# KiCad board frankenso.kicad_pcb (continued)
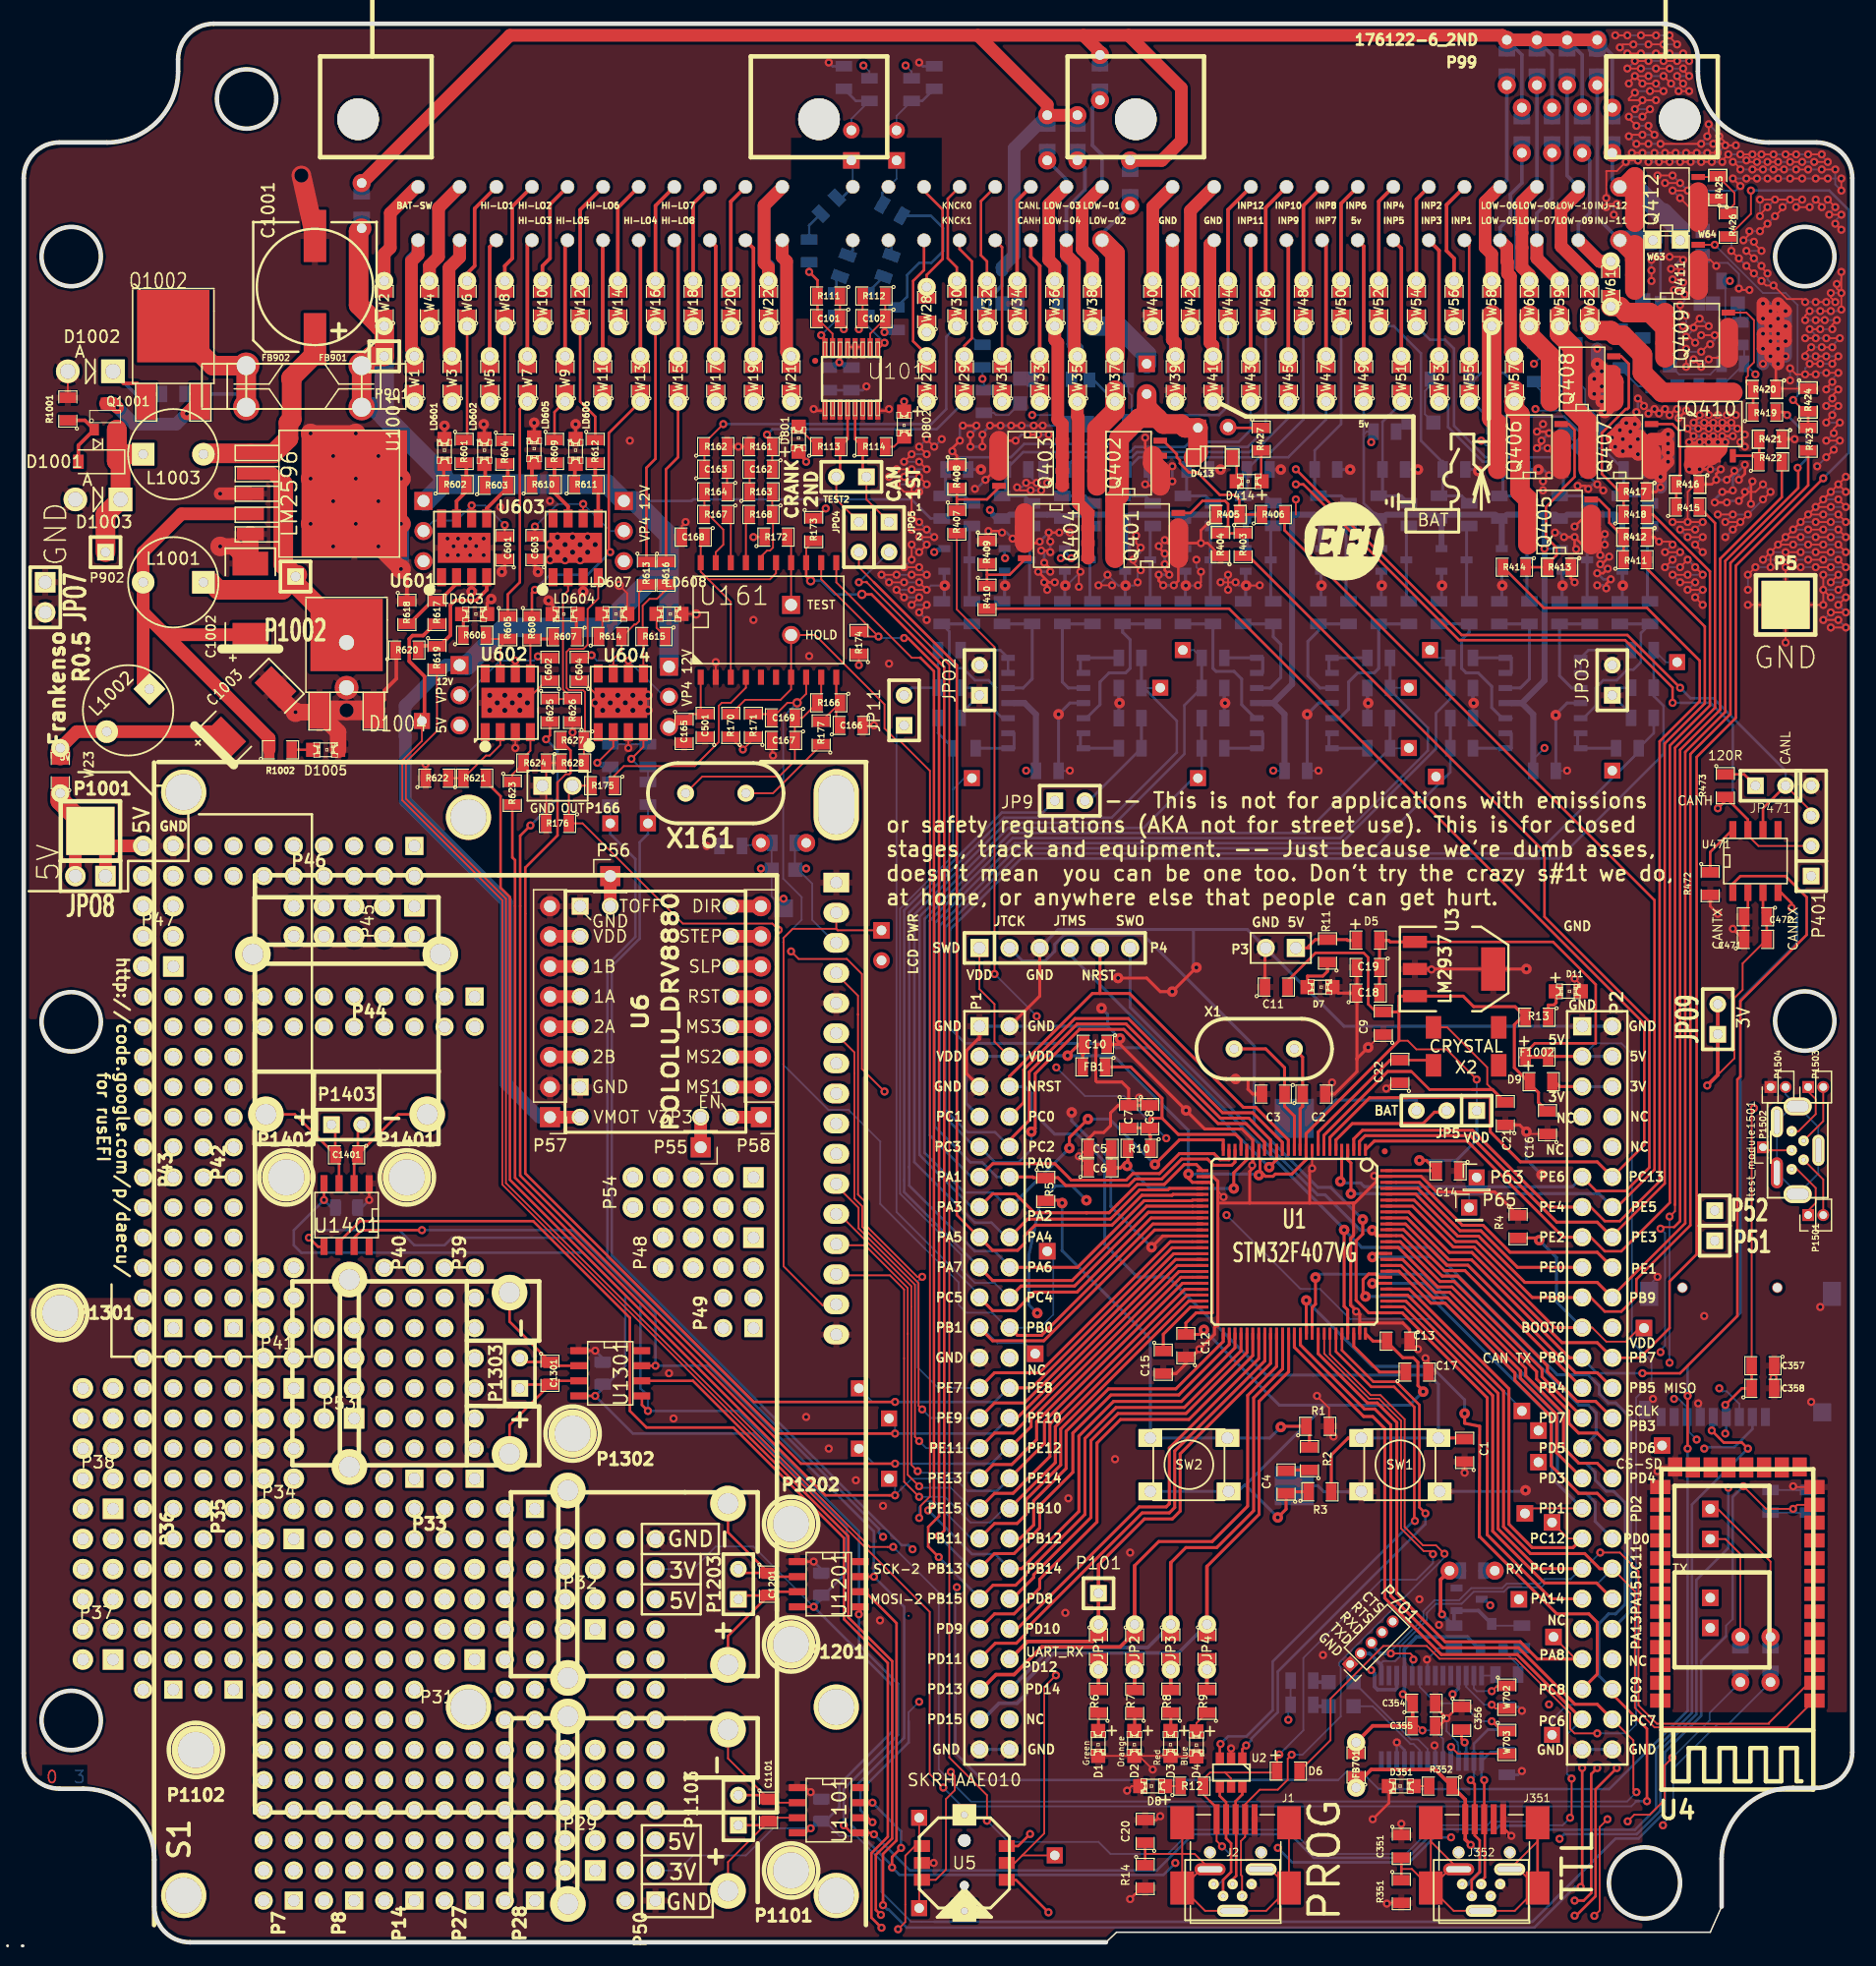
[diagram p0: board, top side]
## Nets (continued)
/HD44780_D5: P1.31 S1.12 U1.44
/HD44780_D6: P1.33 S1.13 U1.46
/HD44780_D7: P1.34 S1.14 U1.47
/HD44780_RS: P1.25 S1.4 U1.38
/HD44780_VCC: JPO1.1 S1.2 S1.A
/HD44780_VLCD: RV101.3 S1.3 W101.1
/hi-lo/DOHL1: P2.46 P69.1 R617.2 U1.66
/hi-lo/DOHL2: P2.48 P67.1 R619.2 U1.64
/hi-lo/DOHL3: P1.32 P68.1 R621.2 U1.45
/hi-lo/DOHL4: P1.30 P70.1 R623.2 U1.43
/hi-lo/DOHL5: P1.28 P72.1 R625.2 U1.41
/hi-lo/DOHL6: P1.26 P71.1 R627.2 U1.39
/hi-lo/DOHL7: P1.41 P74.1 R629.2 U1.56
/hi-lo/DOHL8: P1.40 P73.1 R631.2 U1.55
/hi-lo/VP: C601.2 P604.2 U601.6
/hi-lo/VP2: C602.2 P605.2 U602.6
/hi-lo/VP3: C603.2 P606.2 U603.6
/hi-lo/VP4: C604.2 P607.2 U604.6
/HL1: R601.1 W6.1
/HL2: R604.1 W8.1
/HL3: R605.1 W7.1
/HL4: R608.1 W13.1
/HL5: R609.1 W9.1
/HL6: R612.1 W12.1
/HL7: R613.1 W16.1
/HL8: R616.1 W15.1
/inj_12ch/INJ-01: D413.2 Q401.2 R401.1 R402.2
/inj_12ch/INJ-01_5V: P2.11 P63.1 R403.2 U1.5
/inj_12ch/INJ-02_5V: P2.14 P65.1 R406.2 U1.4
/inj_12ch/INJ-03_5V: P2.27 P23.1 R407.2 U1.88
/inj_12ch/INJ-04_5V: P2.12 R410.2 U1.7
/inj_12ch/INJ-05_5V: P2.16 R411.2 U1.2
/inj_12ch/INJ-06_5V: P2.13 R414.2 U1.3
/inj_12ch/INJ-07_5V: P2.31 P20.1 R415.2 U1.84
/inj_12ch/INJ-08_5V: P2.15 R418.2 U1.1
/inj_12ch/INJ-09_5V: P2.20 R419.2 U1.96
/inj_12ch/INJ-10_5V: P2.29 P21.1 R422.2 U1.86
/inj_12ch/INJ-11_5V: P2.19 R423.2 U1.95
/inj_12ch/INJ-12_5V: P2.24 R426.2 U1.93
/KNOCK-INPUT-0: C163.1 R162.1 W30.1
/KNOCK-INPUT-1: C162.1 R161.1 W29.1
/LOW-1A-01_2: R402.1 W38.1
/LOW-1A-02: D416.2 Q402.2 W37.1
/LOW-1A-03: D418.2 Q403.2 W36.1
/LOW-1A-04: D420.2 Q404.2 W35.1
/LOW-1A-05: D422.2 Q405.2 W57.1
/LOW-1A-06: D424.2 Q406.2 W58.1
/LOW-1A-07: D426.2 Q407.2 W59.1
/LOW-1A-08: D428.2 Q408.2 W60.1
/LOW-1A-09: D430.2 Q409.2 W61.1
/LOW-1A-10: D432.2 Q410.2 W62.1
/LOW-1A-11: D22.1 D434.2 P99.51 Q411.2 W63.1
/LOW-1A-12: D23.1 D436.2 P99.64 Q412.2 W64.1
/mmc_usb_1/CB2: U351.13 W702.1
/mmc_usb_1/CB4: U351.12 W702.2
/mmc_usb_1/D+: C353.2 J351.3 J352.3 U351.15
/mmc_usb_1/D-: C352.2 J351.2 J352.2 U351.16
/mmc_usb_1/FTVCC: C354.1 C355.2 FB701.2 Q701.2 U351.4 U351.20
/mmc_usb_1/PWREN#: R703.2 U351.14
/mmc_usb_1/RESET: U351.19 W703.2
/mmc_usb_1/RI: U351.6 W703.1
/mmc_usb_1/shield: C351.2 J351.6 J352.6 R351.1
/PWR_buck_12V_switcher/FB: C1002.1 L1001.2 L1002.1 R1002.1 U1001.4
/PWR_buck_12V_switcher/OUT: D1004.2 D1006.1 L1001.1 P1002.1 U1001.2
/PWR_buck_12V_switcher/Vf: FB902.1 Q1002.2 R1003.1
/PWR_buck_12V_switcher/Vs1: D1002.1 Q1002.1 R1003.2
/PWR_buck_12V_switcher/Vs2: Q1001.3 Q1002.3
/SCK: P2.28 P4.6 P352.5 U1.89 U1101.5 U1201.5 U1301.5 U1401.5
/SCK-2: P1.37 R173.2 U1.52 U161.13
/SI: P2.26 P352.3 U1.91
/SI-2: P1.39 R174.2 U1.54 U161.12
/SO: P2.25 P352.7 U1.90 U1101.7 U1201.7 U1301.7 U1401.7
/SO-2: P1.38 U1.53 U161.11
/stm32f407_board/BOOT0: P2.21 P30.1 R4.2 U1.94
/stm32f407_board/D+: J1.3 J2.3 U2.6
/stm32f407_board/D-: J1.2 J2.2 U2.4
/stm32f407_board/NRST: C1.2 P1.6 P4.5 R3.2 SW1.1 U1.14
/stm32f407_board/PA5: JPO4.2 P1.15 U1.30
/stm32f407_board/PA9: D6.1 J1.1 J2.1 R12.2 U1.68 U2.5
/stm32f407_board/PA10: J1.4 J2.4 U1.69
/stm32f407_board/PA11: U1.70 U2.3
/stm32f407_board/PA12: U1.71 U2.1
/stm32f407_board/PA15: P2.40 P11.1 U1.77
/stm32f407_board/PB1: P1.21 P13.1 U1.36
/stm32f407_board/PC6: JPO5.2 P2.47 U1.63
/stm32f407_board/PC8: P2.45 P75.1 U1.65 U5.6
/stm32f407_board/PC12: P2.35 P16.1 U1.80
/stm32f407_board/PD0: P2.36 P17.1 U1.81 W102.2
/stm32f407_board/PD1: P2.33 P18.1 U1.82
/stm32f407_board/PD2: P2.34 P19.1 U1.83 W103.2
/stm32f407_board/PD6: P2.30 P22.1 U1.87
/stm32f407_board/PD10: P1.42 P76.1 U1.57 U5.2
/stm32f407_board/PD11: P1.43 P77.1 U1.58 U5.4
/stm32f407_board/PD13: JP2.1 P1.45 U1.60
/stm32f407_board/PD14: JP3.1 P1.46 U1.61
/stm32f407_board/PD15: JP4.1 P1.47 U1.62
/stm32f407_board/PE0: P2.17 P52.1 U1.97
/stm32f407_board/PE1: P2.18 P51.1 U1.98
/stm32f407_board/shield: C20.1 J1.6 J2.6 R14.1
/thermocouple1//CS: JP1.1 P1.44 P101.1 U1.59 U1101.6
/thermocouple1/TCPL+: C1101.2 P1103.1 P1104.2 U1101.3
/thermocouple1/TCPL-: C1101.1 P1103.2 P1104.1 U1101.2
/thermocouple2//CS: P2.39 P4.2 P10.1 U1.76 U1201.6
/thermocouple2/TCPL+: C1201.2 P1203.1 P1204.2 U1201.3
/thermocouple2/TCPL-: C1201.1 P1203.2 P1204.1 U1201.2
/thermocouple3//CS: P2.43 P6.1 U1.67 U1301.6
/thermocouple3/TCPL+: C1301.2 P1303.1 P1304.2 U1301.3
/thermocouple3/TCPL-: C1301.1 P1303.2 P1304.1 U1301.2
/thermocouple4//CS: P2.42 P4.4 P9.1 U1.72 U1401.6
/thermocouple4/TCPL+: C1401.2 P1403.1 P1404.2 U1401.3
/thermocouple4/TCPL-: C1401.1 P1403.2 P1404.1 U1401.2
Net-(BT1-Pad1): BT1.1 JP5.3
Net-(C2-Pad1): C2.1 U1.12 X1.2
Net-(C3-Pad1): C3.1 U1.13 X1.1
Net-(C4-Pad2): C4.2 R2.1
Net-(C5-Pad2): C5.2 C6.2 R10.2 U1.21
Net-(C7-Pad2): C7.2 C8.2 FB1.1 R10.1 U1.22
Net-(C15-Pad1): C15.1 U1.49
Net-(C17-Pad1): C17.1 U1.73
Net-(C21-Pad2): C21.2 U1.8 X2.4
Net-(C22-Pad2): C22.2 U1.9 X2.1
Net-(C101-Pad1): C101.1 R108.2 R111.1 U101.16
Net-(C101-Pad2): C101.2 R107.2 R111.2 U101.15
Net-(C102-Pad1): C102.1 R110.2 R112.1 U101.10
Net-(C102-Pad2): C102.2 R109.2 R112.2 U101.9
Net-(C162-Pad2): C162.2 R163.1
Net-(C163-Pad2): C163.2 R164.1
Net-(C166-Pad1): C166.1 R166.1 R177.2 U161.10
Net-(C167-Pad1): C167.1 C169.1 R166.2 U161.9 X161.1
Net-(C168-Pad1): C168.1 U161.3 U161.15 U161.20
Net-(C210-Pad2): C210.2 R213.2 U201.12
Net-(C220-Pad2): C220.2 R223.2 U201.10
Net-(C230-Pad2): C230.2 R233.2 U201.5
Net-(C240-Pad2): C240.2 R243.2 U201.3
Net-(C250-Pad2): C250.2 R253.2 U202.12
Net-(C260-Pad2): C260.2 R263.2 U202.10
Net-(C270-Pad2): C270.2 R273.2 U202.5
Net-(C280-Pad2): C280.2 R283.2 U202.3
Net-(C290-Pad2): C290.2 R293.2 U203.12
Net-(C300-Pad2): C300.2 R303.2 U203.10
Net-(C310-Pad2): C310.2 R313.2 U203.5
Net-(C320-Pad2): C320.2 R323.2 U203.3
Net-(C356-Pad2): C356.2 U351.17
Net-(C701-Pad1): C701.1 Q701.1 R703.1
Net-(C701-Pad2): C701.2 C702.1 D703.1 Q701.3 W701.2
Net-(D1-Pad1): D1.1 R6.1
Net-(D2-Pad1): D2.1 R7.1
Net-(D3-Pad1): D3.1 R8.1
Net-(D4-Pad1): D4.1 R9.1
Net-(D5-Pad1): D5.1 P3.1 R11.2
Net-(D7-Pad1): D7.1 R11.1
Net-(D8-Pad1): D8.1 R12.1
Net-(D11-Pad1): D11.1 R13.1
Net-(D12-Pad1): D12.1 P99.29 W35.2
Net-(D13-Pad1): D13.1 P99.37 W36.2
Net-(D14-Pad1): D14.1 P99.30 W37.2
Net-(D15-Pad1): D15.1 P99.38 W38.2
Net-(D16-Pad1): D16.1 P99.48 W57.2
Net-(D17-Pad1): D17.1 P99.61 W58.2
Net-(D18-Pad1): D18.1 P99.49 W59.2
Net-(D19-Pad1): D19.1 P99.62 W60.2
Net-(D20-Pad1): D20.1 P99.50 W61.2
Net-(D21-Pad1): D21.1 P99.63 W62.2
Net-(D210-Pad2): D210.2 R212.2 R213.1
Net-(D220-Pad2): D220.2 R222.2 R223.1
Net-(D230-Pad2): D230.2 R232.2 R233.1
Net-(D240-Pad2): D240.2 R242.2 R243.1
Net-(D250-Pad2): D250.2 R252.2 R253.1
Net-(D260-Pad2): D260.2 R262.2 R263.1
Net-(D270-Pad2): D270.2 R272.2 R273.1
Net-(D280-Pad2): D280.2 R282.2 R283.1
Net-(D290-Pad2): D290.2 R292.2 R293.1
Net-(D300-Pad2): D300.2 R302.2 R303.1
Net-(D310-Pad2): D310.2 R312.2 R313.1
Net-(D320-Pad2): D320.2 R322.2 R323.1
Net-(D351-Pad1): D351.1 R352.2
Net-(D413-Pad1): D413.1 D414.2
Net-(D414-Pad1): D414.1 R427.2
Net-(D415-Pad1): D415.1 R438.1
Net-(D415-Pad2): D415.2 D416.1
Net-(D417-Pad1): D417.1 R428.1
Net-(D417-Pad2): D417.2 D418.1
Net-(D419-Pad1): D419.1 R429.1
Net-(D419-Pad2): D419.2 D420.1
Net-(D421-Pad1): D421.1 R430.1
Net-(D421-Pad2): D421.2 D422.1
Net-(D423-Pad1): D423.1 R431.1
Net-(D423-Pad2): D423.2 D424.1
Net-(D425-Pad1): D425.1 R432.1
Net-(D425-Pad2): D425.2 D426.1
Net-(D427-Pad1): D427.1 R433.1
Net-(D427-Pad2): D427.2 D428.1
Net-(D429-Pad1): D429.1 R434.1
Net-(D429-Pad2): D429.2 D430.1
Net-(D431-Pad1): D431.1 R435.1
Net-(D431-Pad2): D431.2 D432.1
Net-(D433-Pad1): D433.1 R436.1
Net-(D433-Pad2): D433.2 D434.1
Net-(D435-Pad1): D435.1 R437.1
Net-(D435-Pad2): D435.2 D436.1
Net-(D701-Pad1): D701.1 R701.2
Net-(D701-Pad2): D701.2 U351.23
Net-(D702-Pad1): D702.1 R702.2
Net-(D702-Pad2): D702.2 U351.22
Net-(D801-Pad2): D801.2 R113.1
Net-(D802-Pad2): D802.2 R114.2
Net-(D1001-Pad1): D1001.1 D1003.1 L1003.1 P902.1 Q1001.2
Net-(D1001-Pad2): D1001.2 Q1001.1 R1001.1
Net-(D1005-Pad1): D1005.1 R1002.2
Net-(JP1-Pad2): JP1.2 R6.2
Net-(JP2-Pad2): JP2.2 R7.2
Net-(JP3-Pad2): JP3.2 R8.2
Net-(JP4-Pad2): JP4.2 R9.2
Net-(JP5-Pad2): JP5.2 U1.6
Net-(JP9-Pad2): JP9.2 R294.2 R295.1
Net-(JP11-Pad2): JP11.2 R314.2 R315.1
Net-(JP471-Pad1): JP471.1 R473.1
Net-(LD601-Pad1): LD601.1 R602.1
Net-(LD602-Pad1): LD602.1 R603.1
Net-(LD603-Pad1): LD603.1 R606.1
Net-(LD604-Pad1): LD604.1 R607.1
Net-(LD605-Pad1): LD605.1 R610.1
Net-(LD606-Pad1): LD606.1 R611.1
Net-(LD607-Pad1): LD607.1 R614.1
Net-(LD608-Pad1): LD608.1 R615.1
Net-(P55-Pad1): P55.1 U6.18
Net-(P56-Pad1): P56.1 U6.17
Net-(P57-Pad3): P57.3 U6.6
Net-(P57-Pad4): P57.4 U6.5
Net-(P57-Pad5): P57.5 U6.4
Net-(P57-Pad6): P57.6 U6.3
Net-(P58-Pad1): P58.1 U6.9
Net-(P58-Pad2): P58.2 U6.10
Net-(P58-Pad3): P58.3 U6.11
Net-(P58-Pad4): P58.4 U6.12
Net-(P58-Pad5): P58.5 U6.13
Net-(P58-Pad6): P58.6 U6.14
Net-(P58-Pad7): P58.7 U6.15
Net-(P58-Pad8): P58.8 U6.16
Net-(P99-Pad1): P99.1 W1.2
Net-(P99-Pad2): P99.2 W3.2
Net-(P99-Pad3): P99.3 W5.2
Net-(P99-Pad4): P99.4 W7.2
Net-(P99-Pad5): P99.5 W9.2
Net-(P99-Pad6): P99.6 W11.2
Net-(P99-Pad7): P99.7 W13.2
Net-(P99-Pad8): P99.8 W15.2
Net-(P99-Pad9): P99.9 W17.2
Net-(P99-Pad10): P99.10 W19.2
Net-(P99-Pad11): P99.11 W21.2
Net-(P99-Pad12): P99.12 W2.2
Net-(P99-Pad13): P99.13 W4.2
Net-(P99-Pad14): P99.14 W6.2
Net-(P99-Pad15): P99.15 W8.2
Net-(P99-Pad16): P99.16 W10.2
Net-(P99-Pad17): P99.17 W12.2
Net-(P99-Pad18): P99.18 W14.2
Net-(P99-Pad19): P99.19 W16.2
Net-(P99-Pad20): P99.20 W18.2
Net-(P99-Pad21): P99.21 W20.2
Net-(P99-Pad22): P99.22 W22.2
Net-(P99-Pad25): P99.25 W27.2
Net-(P99-Pad26): P99.26 W29.2
Net-(P99-Pad27): P99.27 W31.2
Net-(P99-Pad28): P99.28 W33.2
Net-(P99-Pad33): P99.33 W28.2
Net-(P99-Pad34): P99.34 W30.2
Net-(P99-Pad35): P99.35 W32.2
Net-(P99-Pad36): P99.36 W34.2
Net-(P99-Pad39): P99.39 W39.2
Net-(P99-Pad40): P99.40 W41.2
Net-(P99-Pad41): P99.41 W43.2
Net-(P99-Pad42): P99.42 W45.2
Net-(P99-Pad43): P99.43 W47.2
Net-(P99-Pad44): P99.44 W49.2
Net-(P99-Pad45): P99.45 W51.2
Net-(P99-Pad46): P99.46 W53.2
Net-(P99-Pad47): P99.47 W55.2
Net-(P99-Pad52): P99.52 W40.2
Net-(P99-Pad53): P99.53 W42.2
Net-(P99-Pad54): P99.54 W44.2
Net-(P99-Pad55): P99.55 W46.2
Net-(P99-Pad56): P99.56 W48.2
Net-(P99-Pad57): P99.57 W50.2
Net-(P99-Pad58): P99.58 W52.2
Net-(P99-Pad59): P99.59 W54.2
Net-(P99-Pad60): P99.60 W56.2
Net-(P701-Pad4): P701.4 U351.3
Net-(P701-Pad5): P701.5 U351.11
Net-(P1501-Pad1): P1501.1 test_module1501.1
Net-(P1501-Pad2): P1501.2 test_module1501.2
Net-(P1502-Pad1): P1502.1 test_module1501.3
Net-(P1503-Pad1): P1503.1 test_module1501.5
Net-(P1503-Pad2): P1503.2 test_module1501.4
Net-(P1504-Pad2): P1504.2 test_module1501.6
Net-(Q401-Pad1): Q401.1 R403.1 R404.2
Net-(Q402-Pad1): Q402.1 R405.2 R406.1
Net-(Q403-Pad1): Q403.1 R407.1 R408.2
Net-(Q404-Pad1): Q404.1 R409.2 R410.1
Net-(Q405-Pad1): Q405.1 R411.1 R412.2
Net-(Q406-Pad1): Q406.1 R413.2 R414.1
Net-(Q407-Pad1): Q407.1 R415.1 R416.2
Net-(Q408-Pad1): Q408.1 R417.2 R418.1
Net-(Q409-Pad1): Q409.1 R419.1 R420.2
Net-(Q410-Pad1): Q410.1 R421.2 R422.1
Net-(Q411-Pad1): Q411.1 R423.1 R424.2
Net-(Q412-Pad1): Q412.1 R425.2 R426.1
Net-(R1-Pad1): R1.1 R2.2 R5.2 SW2.1
Net-(R99-Pad2): R99.2 RV101.1 RV101.2 W101.2
Net-(R102-Pad2): R102.2 R107.1
Net-(R103-Pad2): R103.2 R108.1
Net-(R104-Pad2): R104.2 R109.1
Net-(R106-Pad2): R106.2 R110.1
Net-(R137-Pad2): R137.2 R801.2 W1002.2
Net-(R141-Pad2): R141.2 R802.2 W1003.2
Net-(R163-Pad2): R163.2 R168.1 U161.16
Net-(R164-Pad2): R164.2 R167.2 U161.19
Net-(R167-Pad1): R167.1 U161.18
Net-(R168-Pad2): R168.2 U161.17
Net-(R177-Pad1): R177.1 X161.2
Net-(R214-Pad1): R214.1 U201.13 U201.14
Net-(R224-Pad1): R224.1 U201.8 U201.9
Net-(R234-Pad1): R234.1 U201.6 U201.7
Net-(R244-Pad1): R244.1 U201.1 U201.2
Net-(R254-Pad1): R254.1 U202.13 U202.14
Net-(R264-Pad1): R264.1 U202.8 U202.9
Net-(R274-Pad1): R274.1 U202.6 U202.7
Net-(R284-Pad1): R284.1 U202.1 U202.2
Net-(R294-Pad1): R294.1 U203.13 U203.14
Net-(R304-Pad1): R304.1 U203.8 U203.9
Net-(R314-Pad1): R314.1 U203.6 U203.7
Net-(R324-Pad1): R324.1 U203.1 U203.2
Net-(R472-Pad1): R472.1 U471.8
Net-(R601-Pad2): R601.2 R602.2 U601.7
Net-(R603-Pad2): R603.2 R604.2 U601.5
Net-(R605-Pad2): R605.2 R606.2 U602.7
Net-(R607-Pad2): R607.2 R608.2 U602.5
Net-(R609-Pad2): R609.2 R610.2 U603.7
Net-(R611-Pad2): R611.2 R612.2 U603.5
Net-(R613-Pad2): R613.2 R614.2 U604.7
Net-(R615-Pad2): R615.2 R616.2 U604.5
Net-(R617-Pad1): R617.1 R618.2 U601.2
Net-(R619-Pad1): R619.1 R620.2 U601.4
Net-(R621-Pad1): R621.1 R622.2 U602.2
Net-(R623-Pad1): R623.1 R624.2 U602.4
Net-(R625-Pad1): R625.1 R626.2 U603.2
Net-(R627-Pad1): R627.1 R628.2 U603.4
Net-(R629-Pad1): R629.1 R630.2 U604.2
Net-(R631-Pad1): R631.1 R632.2 U604.4
Net-(U5-Pad1): U5.1 W102.1
Net-(U5-Pad3): U5.3 W103.1

Pads without a net: D703 3; J351 4; J352 4; P1 24 48; P2 7 8 9 10 22 41 44; P7 1 2 3 4 5 6 7 8 9 10 11 12 13 14 15 16 17 18 19 20 21 22 23 24; P8 1 2 3 4 5 6 7 8 9 10 11 12 13 14 15 16 17 18 19 20 21 22 23 24; P14 1 2 3 4 5 6 7 8 9 10 11 12 13 14 15 16 17 18 19 20 21 22 23 24; P27 1 2 3 4 5 6 7 8 9 10 11 12; P28 1 2 3 4 5 6 7 8 9 10 11 12 13 14 15 16 17 18 19 20 21 22 23 24; P29 1 2 3 4 5 6 7 8 9 10; P31 1 2 3 4 5 6 7 8; P32 1 2 3 4 5 6 7 8; P33 1 2 3 4 5 6 7 8 9 10 11 12 13 14 15 16; P34 1 2 3 4 5 6 7 8 9 10; P35 1 2 3 4 5 6 7 8 9 10 11 12 13 14 15 16 17 18 19 20 21 22 23 24; P36 1 2 3 4 5 6 7 8 9 10 11 12 13 14 15 16 17 18 19 20 21 22 23 24; P37 1 2 3 4 5 6 7 8 9 10; P38 1 2 3 4 5 6 7 8 9 10; P39 1 2 3 4 5 6 7 8 9 10 11 12 13 14 15 16; P40 1 2 3 4 5 6 7 8 9 10 11 12 13 14 15 16; P41 1 2 3 4 5 6 7 8 9 10; P42 1 2 3 4 5 6 7 8 9 10 11 12 13 14 15 16 17 18 19 20 21 22 23 24; P43 1 2 3 4 5 6 7 8 9 10 11 12 13 14 15 16 17 18 19 20 21 22 23 24; P44 1 2 3 4 5 6 7 8 9 10 11 12 13 14 15 16; P45 1 2 3 4 5 6 7 8 9 10; P46 1 2 3 4 5 6 7 8 9 10 11 12 13 14 15 16; P47 1 2 3 4 5 6 7 8; P48 1 2 3 4 5 6 7 8; P49 1 2 3 4; P50 2 4 6 7 8 9 10 11 12 13 14 15 16 17 18 19 20 22 24 26; P53 1 2 3 4 5 6 7 8; P54 1 2 3 4 5 6 7 8 9 10; P352 1 8 9; P1101 1; P1102 1; P1104 M; P1201 1; P1202 1; P1204 M; P1301 1; P1302 1; P1304 M; P1401 1; P1402 1; P1404 M; S1 7 8 9 10; U1 NC1; U4 3 4 5 6 7 8 9 10 11 14 15 16 17 18 19 20 23 24 25 26 27 28 29 30 31 32 33 34; U5 7; U101 2 7 NC; U161 5 6; U351 2 8 9 10 24 27 28; U471 5; U601 1 8; U602 1 8; U603 1 8; U604 1 8; U1101 8; U1201 8; U1301 8; U1401 8; X2 2 3

## Via types
v1: diameter 0.889, hole 0.33, Top to Bottom, 80 vias
v2: diameter 0.686, hole 0.33, Top to Bottom, 893 vias
v3: diameter 0.79, hole 0.434, Top to Bottom, 39 vias
v4: diameter 1.651, hole 0.33, Top to Bottom, 17 vias
v5: diameter 1.542, hole 1.186, Top to Bottom, 2 vias

## Routing (per net, layer and track width the routed paths; a pad name or vN(x,y) marks a point on that pad's centre or on a via; arc(x,y) is an arc through that point)
12V-SNUB: length 196.3
  Top w0.152: W32.1 W32.1
  Top w1.067: 89.31,160.74 90.71,159.34 D15.2 ; 89.31,160.74 93.12,160.74 ; 89.31,160.74 80.42,160.74 ; 93.12,160.74 97.57,156.29 97.57,151.85 95.92,150.2 D14.2 ; 93.12,160.74 124.62,160.74 D17.2 D19.2 D21.2 D22.2 ; 80.42,160.74 86.27,154.9 86.27,154.01 88.81,154.01 ; 80.42,160.74 40.97,160.74 28.53,148.29 JPO6.1
  Bottom w0.305: D22.2 131.99,159.72 D22.2 ; D22.2 133.89,159.09 133.89,154.01 ; D22.2 D22.2 D22.2 ; D17.2 D17.2 D17.2 ; D17.2 126.27,159.09 126.27,154.01 ; D19.2 D19.2 128.81,159.09 128.81,154.01 ; D21.2 D21.2 131.35,159.09 131.35,154.01 ; 82.46,140.93 82.46,139.66 81.87,139.07 81.67,139.07 81.44,138.84 81.44,137.24 81.19,136.99 W32.1 ; D15.2 D15.2 D15.2
  Bottom w1.067: D15.2 D15.2 ; D13.2 86.27,154.01 83.47,151.21 83.47,142.2 82.46,141.18 82.46,140.93
  Bottom w1.651: D22.2 D22.2
/1V: length 1
  Top w0.152: W22.1 W22.1
/3.3V: length 341.2
  Top w0.152: v2(141.89,72.22) 144.18,74.51 144.18,79.59 144.88,80.28 144.88,82.51 C471.2 ; v2(145.83,70.31) 145.64,70.12 C357.2 ; v2(66.33,9.61) 65.95,9.23 U1101.4 ; v2(144.94,38.44) 146.85,36.53 v2(149.13,36.53) 149.47,36.87 U4.12
  Top w0.216: v2(143.42,45.3) 144.81,46.69 C358.1 C357.2 ; C471.2 C472.1 146.59,86.76 U471.3 ; U1201.4 v2(66.58,28.28) ; U1401.4 v2(25.31,62.57) ; U1301.4 v2(48.17,46.06)
  Top w0.254: 129.07,72.51 129.45,72.13 131.35,72.13
  Top w0.305: v2(141.89,72.22) 142.78,73.11 JPO9.1 JPO9.2
  PWR w0.152: v2(145.83,70.31) 143.92,72.22 v2(141.89,72.22) 141.81,72.13 P2.6
  PWR w0.216: v2(143.42,42.88) 144.18,42.12 144.18,39.2 v2(144.94,38.44)
  Bottom w0.152: v2(149.13,36.53) 149.45,36.22 C24.1 C23.1 ; P50.23 56.42,31.45 58.33,33.36 61.5,33.36 v2(66.58,28.28) ; 144.04,27.25 143.48,26.69 143.48,25.8 ; 76.74,1.73 74.79,1.73 72.3,4.22 72.3,6.85 70.17,8.97 68.74,8.97 67.53,10.18 C1102.1 66.9,10.18 v2(66.33,9.61) 63.15,9.61 60.87,7.32 56.42,7.32 55.15,6.05 P50.3
  Bottom w0.216: v2(143.42,45.3) 143.5,45.21 P352.4 143.5,42.97 v2(143.42,42.88) ; v2(144.94,38.44) 144.04,37.54 144.04,27.25 ; 76.74,1.73 127.16,1.73 134.17,8.75 136.1,8.75 138.31,10.95 138.31,16.02 141.38,19.1 141.38,23.71 143.48,25.8 ; v2(48.17,46.06) 48.8,46.69 C1302.1 ; v2(48.17,46.06) 51.34,42.88 61.62,42.88 69.38,35.12 69.38,31.2 66.58,28.4 v2(66.58,28.28) ; v2(48.17,46.06) 50.71,48.6 50.71,54.54 47.12,58.12 23.4,58.12 22.77,58.76 22.77,60.03 v2(25.31,62.57) 25.94,61.93 C1402.1 ; v2(66.58,28.28) 67.22,28.91 C1202.1 ; v2(66.58,28.28) 73.19,21.67 73.19,17.75 68.74,13.3 68.74,11.39 67.53,10.18
  Bottom w0.254: P2.6 131.35,72.13
/5V: length 385.7
  Top w0.152: D6.2 110.14,17.04 110.14,20.53 114.59,24.98 118.25,24.98 119.33,23.9 125.74,23.9 130.34,19.31 130.34,17.99 130.72,17.61 v2(132.62,17.61) ; v2(65.95,124.8) 65.31,125.43 D801.1 ; v2(67.6,120.86) 66.77,120.04 R173.1 ; 54.39,102.45 54.96,103.02 C165.1 56.17,103.53 C501.2 57.06,103.91 U161.1 ; 6.89,92.41 P1001.1 ; R170.1 59.6,101.56 v2(60.61,100.54) 61.5,101.43 R171.1 ; R172.1 v2(61.5,118.45) ; D802.1 v2(74.2,129.88) ; R174.1 v2(70.39,107.65) ; W49.1 W49.1
  Top w0.216: v2(68.74,133.18) 68.8,133.24 U101.14 ; R401.2 101.57,127.66 R427.1 ; v2(128.18,117.48) 128.18,117.43 ; 132.58,17.65 v2(132.62,17.61) ; 126.21,74.62 127.36,75.78 132.49,75.78 132.49,80.73 128.9,84.33 U3.1
  Top w0.254: 114.66,84.45 114.27,84.06 C19.1 C18.2 ; 114.66,84.45 115.04,84.45 115.17,84.33 U3.1 ; 114.66,84.45 114.27,84.45 ; 131.35,74.67 128.62,74.67
  Top w0.305: 4.35,92.41 P1001.1 6.89,92.41 ; 126.21,74.62 F1002.2
  Top w1.067: JPO8.2 4.35,92.41 ; P47.10 6.89,92.41 JPO8.1 ; U6.2 P57.7
  Top w1.651: P1001.1 3.08,96.22 W23.1
  Bottom w0.152: v2(132.62,17.61) 135.16,17.61 135.9,18.35 135.9,45.91 137.19,47.2 137.19,48.98 135.54,50.63 135.54,74.89 134.65,75.78 132.45,75.78 131.35,74.67 ; v2(84.49,98.76) 84.51,98.74 C291.2 ; v2(105.32,98.76) 105.34,98.74 C251.1 ; v2(128.18,100.67) 127.22,99.72 C211.1 ; v2(74.33,158.2) 74.84,157.69 R141.1 ; v2(70.77,158.2) 71.28,157.69 R137.1 ; v2(106.59,18.75) 106.59,19.83 R701.1 R702.1 ; v2(123.6,28.4) 123.1,28.91 D703.2 ; R434.2 145,134.32 R436.2 144.62,134.64 143.42,135.85 143.42,139.72 R437.2 v2(143.8,140.04) ; R434.2 R435.2 ; R434.2 145.07,133.05 v2(145.96,132.16) ; v2(127.29,133.05) 127.73,133.5 R433.2 ; v2(122.84,126.58) 123.22,126.19 R431.2 ; v2(85,128.73) 86.9,128.73 87.66,127.97 R438.2 ; v2(113.57,126.45) 113.76,126.64 R430.2 113.19,127.34 112.94,127.08 ; v2(127.41,129.24) 127.54,129.12 130.34,129.12 130.8,128.65 R432.2 ; JPO8.2 4.35,92.41 P1001.1 6.89,92.41 JPO8.1 ; R428.2 v2(80.81,131.78) 80.93,131.66 R429.2
  Bottom w0.216: C104.1 68.3,132.74 v2(68.74,133.18) 69.18,132.74 C103.2 ; R250.2 112.94,121.31 W49.1 ; v2(81.44,120.73) 82.16,120.02 R310.2 ; v2(82.71,116.67) 82.67,116.71 D310.3 ; v2(88.3,116.67) 87.75,117.22 D300.3 87.75,117.01 v2(87.41,116.67) ; v2(76.74,117.18) 77.04,117.48 D320.3 ; D220.3 v2(128.18,117.48)
  Bottom w0.254: 83.09,120.33 82.77,120.02 R310.2 ; 87.22,120.33 R300.2 87.85,120.02 88.17,120.33 ; 92.3,120.33 R290.2 ; R290.2 92.83,119.8 ; R290.2 92.93,120.02 93.25,120.33 ; 97.38,120.33 R280.2 ; R280.2 97.91,119.8 ; R280.2 98.01,120.02 98.33,120.33 ; 102.46,120.33 R270.2 ; R270.2 102.99,119.8 ; R270.2 103.09,120.02 103.41,120.33 ; 106.9,120.33 106.59,120.33 ; 109.76,120.33 109.44,120.02 109.13,120.02 109.34,119.8 ; 113.89,120.33 114.21,120.02 ; 114.21,120.02 114.42,119.8 ; 114.21,120.02 114.52,120.02 114.84,120.33 ; 118.97,120.33 119.29,120.02 ; 119.29,120.02 119.5,119.8 ; 119.29,120.02 119.6,120.02 119.92,120.33 ; 124.05,120.33 R230.2 ; R230.2 124.58,119.8 ; R230.2 124.68,120.02 125,120.33 ; 129.13,120.33 R220.2 ; R220.2 129.66,119.8 ; R220.2 129.76,120.02 130.08,120.33 ; 134.21,120.33 R210.2 134.74,119.8 ; P2.4 131.35,74.67
  Bottom w0.508: 83.09,120.33 87.22,120.33 ; 88.17,120.33 92.3,120.33 ; 93.25,120.33 97.38,120.33 ; 98.33,120.33 102.46,120.33 ; 103.41,120.33 108.81,120.33 109.13,120.02 ; 105.32,104.46 106.9,106.05 106.9,120.33 ; 105.32,104.46 104.43,104.46 105.32,104.46 ; 105.32,104.46 106.27,103.51 C251.1 ; 109.76,120.33 113.89,120.33 ; 114.84,120.33 118.97,120.33 ; 119.92,120.33 124.05,120.33 ; 125,120.33 128.18,120.33 ; 128.18,120.33 129.13,120.33 ; 128.18,120.33 128.18,106.36 126.27,104.46 ; 130.08,120.33 134.21,120.33 ; 84.36,104.46 85.31,103.51 C291.2 ; 84.36,104.46 83.47,104.46 84.36,104.46 ; 126.27,104.46 127.22,103.51 C211.1 ; 126.27,104.46 125.38,104.46 126.27,104.46 ; 81.69,120.33 82.01,120.02 R310.2 ; D210.3 134.74,119.8 ; D280.3 97.91,119.8 ; D230.3 124.58,119.8 ; D240.3 119.5,119.8 ; D250.3 114.42,119.8 ; D270.3 102.99,119.8 ; D260.3 109.34,119.8 ; D290.3 92.83,119.8
/12V-SWITCH: length 166.4
  Top w1.067: P57.1 U6.8
  Top w1.651: JPO6.2 28.23,144.23 28.23,138.01 30.01,136.23 W2.1 P901.1 29.27,133.69 FB901.1 FB901.1
  Bottom w0.216: P606.1 56.29,121.5 56.42,121.62 74.84,121.62 76.44,120.02 R320.2
  Bottom w1.067: P57.1 43.47,69.55 40.67,72.35 40.67,87.7 32.16,96.21 32.16,101.65 32.14,101.68 32.14,104.23 32.29,104.38 32.31,104.38 35.58,107.65 P605.1
  Bottom w1.651: 54.39,116.42 48.8,110.83 40.55,110.83 37.37,107.65 P605.1 ; 54.39,116.42 54.39,118.57 51.47,121.5 P606.1 49.16,122.91 35.34,122.91 ; 54.39,116.42 P607.1 ; 31.66,127.34 29.6,129.4 FB901.1 ; 31.66,127.34 30.39,128.61 P901.1 ; 31.66,127.34 35.34,123.65 35.34,122.91 ; 35.34,122.91 33.93,121.5 P604.1
/mmc_usb_1/Vbus: length 19.5
  Top w0.305: v2(121.95,8.21) 121.5,8.67 J351.1 121.5,12.03 R352.1 118.97,14.56 113.57,14.56 112.3,13.29 FB701.1
  Bottom w0.305: v2(121.95,8.21) 122.72,7.45 122.72,5.93 121.69,4.9 J352.1
/PWR_buck_12V_switcher/5V-REG: length 15.6
  Top w1.067: W23.2 W23.2 4.46,102.05 L1002.2 16.5,102.05 C1003.1
  Top w1.651: W23.2 3.08,100.37
/PWR_buck_12V_switcher/VBAT: length 18.1
  Top w1.067: C1001.1 24.54,134.11
  Top w1.651: L1003.2 15.22,125.51 U1001.1 21.06,125.51 22.31,126.76 22.31,128.08 22.58,128.35 22.58,131.73 22.54,131.77 22.54,131.87 24.54,133.87 C1001.1
/stm32f407_board/VDD: length 203
  Top w0.152: P4.1 80.55,80.35 81.82,79.08 81.82,75.9 83.05,74.67 P1.4 ; v2(122.46,72.73) 119.92,75.27 117.38,75.27 116.65,76 115.91,76
  Top w0.216: C11.2 106.52,81.05 108.87,83.4 112.94,83.4 113.32,83.01 113.32,79.08 113.98,78.42 C9.2
  Top w0.254: 115.91,78.48 115.86,78.48 115.86,78.47 115.91,78.42 C9.2 ; 115.91,78.48 115.91,76 108.08,68.17 U1.11 108.08,65.96 106.88,64.76 105.49,64.76 105.3,64.57 104.65,64.57 104.33,64.89 ; 115.91,78.48 115.91,79.75 U3.3 121.32,79.75 122.21,78.86 125.7,78.86 R13.2 126.27,77.98 125.64,77.34 125.64,73.72 126.72,72.64 126.72,72.58 127.67,71.63 127.67,70.8 C16.2 ; v1(105.7,35.81) 106.4,36.51 C4.1 106.52,37.97 R3.1 ; U1.75 113.72,50.67 C13.2 114.9,50.61 116.24,49.27 117.13,49.27 117.51,48.89 117.51,46.92 117.95,46.48 v1(117.95,46.42) ; v1(99.47,51.62) 99.09,51.24 C12.2 97.95,52.19 98.81,53.06 U1.50 100.19,53.06 100.19,63.85 99.98,64.06 U1.28 98.51,64.06 98.17,64.4 v1(98.17,64.76) ; v1(87.98,74.74) 88.93,75.69 C10.2 89.38,74.94 89.25,74.81 FB1.2 ; 104.33,64.89 104.2,65.02 104.2,65.97 104.1,66.08 U1.19 ; 104.33,64.89 v1(104.1,64.67) ; U1.100 119.07,65.05 C14.2 118.21,65.91 v1(117.64,65.91)
  Bottom w0.152: v2(122.46,72.73) JP5.1
  Bottom w0.254: v1(105.7,35.81) 102.97,38.54 ; 102.97,38.54 102.9,38.54 102.37,38.01 SW2.2 SW2.2 ; 102.97,38.54 109.7,45.27 ; v1(117.64,65.91) 120.75,65.91 122.46,67.62 JP5.1 ; v1(117.95,46.42) 116.81,45.27 109.7,45.27 ; 109.7,45.27 105.82,45.27 v1(99.47,51.62) ; v1(104.1,64.67) 104.01,64.76 v1(98.17,64.76) 98.17,68.42 91.85,74.74 v1(87.98,74.74) 83.15,74.74 P1.4 P1.3
GND: length 1609.9